# Allegro board sk_s7g2 rev3.0.brd (continued)
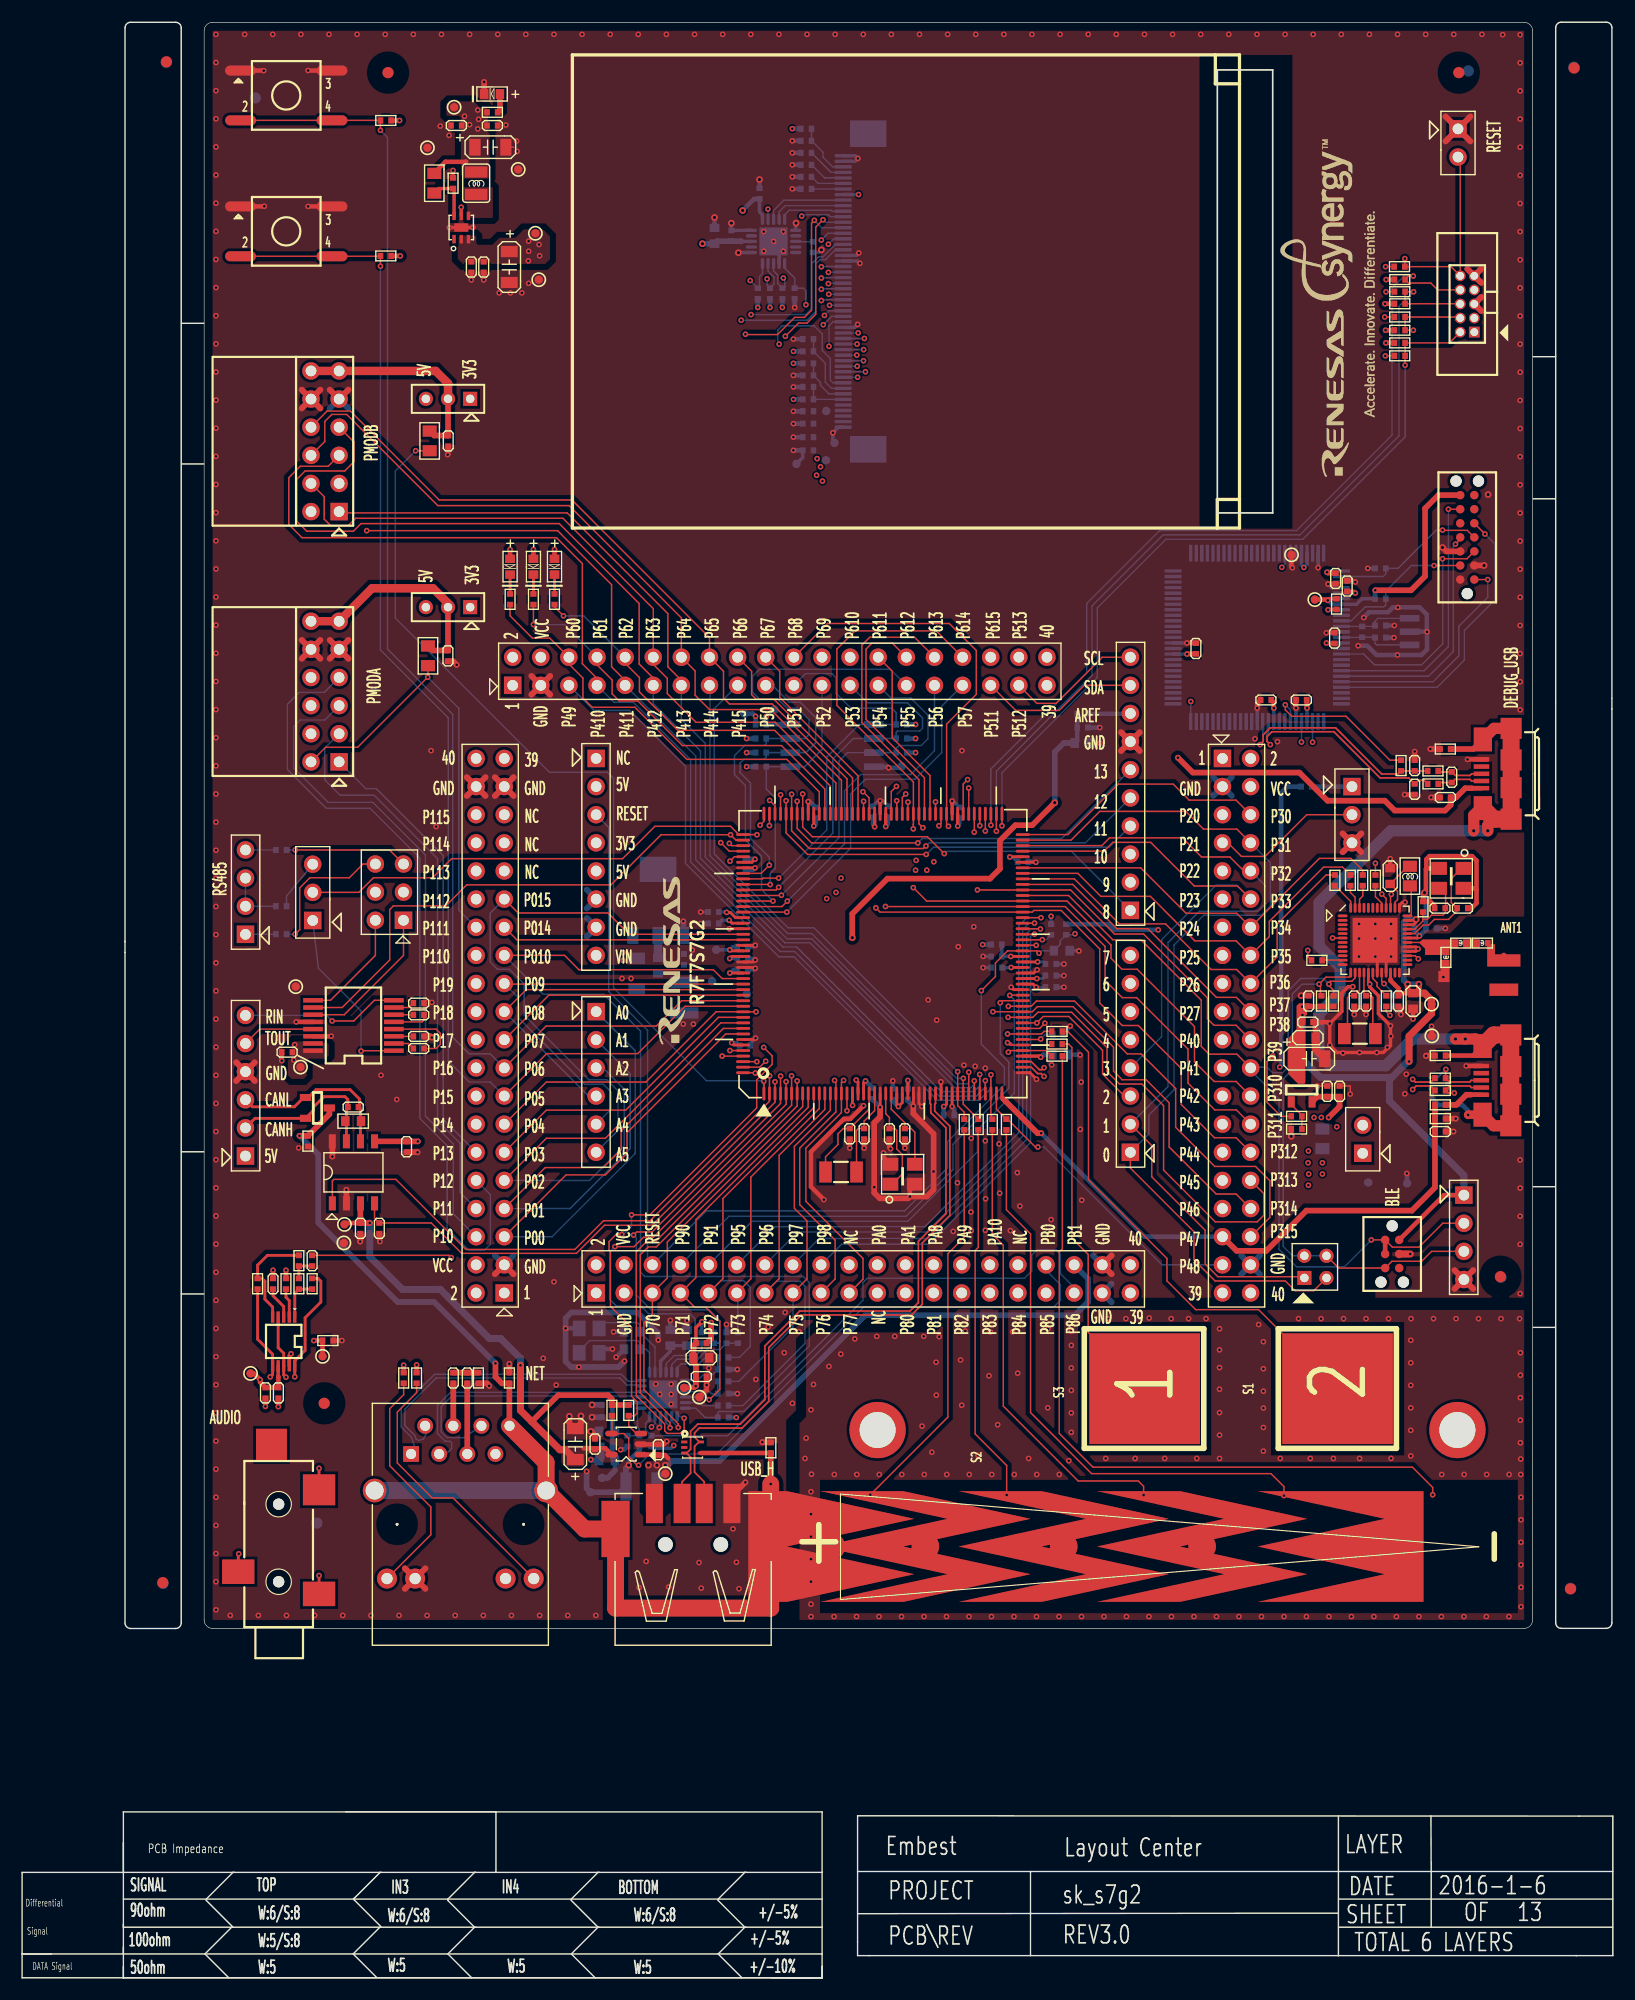
[diagram p0: board, top side]
## Routing (per net, layer and track width the routed paths; a pad name or vN(x,y) marks a point on that pad's centre or on a via; arc(x,y) is an arc through that point) (continued)
GND_RF: length 23.7
  TOP w0.254: v1(126.22,94.06) 126.04,93.88 U2.31
  TOP w0.406: C33.2 127.59,96.78 127.18,97.19 R121.2 126.55,97.85 v2(126.68,97.97) 126.8,98.1 126.8,100.1 126.84,100.13 ; 131.37,98.23 131.37,97.03 130.92,96.58 C32.2 ; 131.37,98.23 131.37,100.87 130.97,101.28 127.12,101.28 126.84,100.99 126.84,100.13 ; 131.37,98.23 131.23,98.37 X4.4 ; 126.84,100.13 126.87,100.17 X4.2
  BOTTOM w0.406: C28.2 125.76,94.52 v1(126.22,94.06) 126.8,94.65 R111.2 126.8,97.85 v2(126.68,97.97)
VDD_ENET: length 10.3
  BOTTOM w0.305: U9.2 55.07,51.94
  BOTTOM w0.406: 55.07,51.94 54.87,51.74 C52.1 C53.1 53.32,49.56 C51.1 53.32,49.11 R46.2 53.32,46.95 FB2.2 53.55,45.8
  BOTTOM w0.508: 53.55,45.8 52.89,45.14 TP15.1
VDD_IO: length 13.2
  TOP w0.305: v1(61.4,59.24) 60.86,58.71 R47.2
  TOP w0.406: TP16.1 60.69,53.27 v1(60.84,53.42)
  TOP w0.508: v1(60.84,53.42) 60.86,53.45 C56.1 60.86,55.3 60.64,55.53 C57.1 60.64,57.08 R47.2
  BOTTOM w0.305: R55.1 R56.1 61.38,59.17 61.4,59.19 v1(61.4,59.24) ; v1(58.86,48.06) 58.6,47.81 57.02,47.81 R54.1 ; v1(60.84,53.42) 60.83,53.44 U9.14
  BOTTOM w0.406: 63.81,50.59 v1(64.51,50.59)
AREF: length 3.8
  BOTTOM w0.406: J24.8 100.08,114.13 R115.2
CANH: length 14.7
  TOP w0.254: J7.2 21.04,77.6 D1.2 26.32,78.33 26.32,78.62 27.26,79.56 29.16,79.56 29.42,79.31 C100.1 29.29,78.49 29.29,77.25 ; 29.29,77.25 U8.7 ; 29.29,77.25 R119.2
CANL: length 15.5
  TOP w0.254: 30.56,77.3 30.56,78.44 C100.2 30.46,78.7 30.46,79.36 29.62,80.19 26.55,80.19 25.84,79.48 D1.1 25.43,79.48 24.59,78.65 20.81,78.65 J7.3 ; 30.56,77.3 U8.6 ; 30.56,77.3 R119.1
CRS_RV: length 4.1
  BOTTOM w0.127: R102.1 R57.1 62.28,52.75 62.09,52.94 U9.15
DCLIN: length 5
  TOP w0.127: L1.2 125.18,100.36 C25.1 124.24,98.1 124.24,97.34 124.01,97.11 U2.38
DCLOUT: length 3
  TOP w0.127: L1.1 125.48,98.46 125.48,96.01 125.35,95.88 U2.36
FGND: length 299.2
  TOP w0.406: U5.4 67.63,47.39 R41.2 ; J5.7 131.05,83.27 R38.2
  TOP w0.508: J19.7 131.08,110.95 R86.2 ; R41.2 67.62,47.36 v1(67.62,44.58) ; J11.8 44.01,49.85 R48.1 43.34,53.68 42.75,54.26 v1(42.75,55.48) ; D1.3 27.76,77.97 R42.1 v1(25.05,76.03)
  TOP w0.762: v1(130.61,77.91) 130.64,77.93 J5.6
  TOP w1.016: 132.94,104.61 132.39,104.06 v2(132.39,103.56) ; J19.6 131.77,105.61 131.12,104.96 v2(131.12,103.56) ; J5.6 132.92,76.93 J5.8 ; J19.7 132.94,112.81 J19.11 ; J5.7 131.29,84.77 v2(130.36,84.77) v2(129.47,84.77)
  TOP w1.524: J5.7 132.92,85.13 J5.11 J5.10 J5.9 J5.8 ; J19.11 J19.10 J19.9 J19.8 132.94,104.61 J19.6 ; J11.8 47.33,46.53 J11.14 50.8,40.53 J6.5 53.6,33.38 67.62,33.38 J6.6 v1(67.62,44.58)
  INT3 w0.635: v1(67.62,44.58) 68.66,45.63 68.66,52.99 75.44,59.77 95.69,59.77 96.35,60.43 98.2,60.43 98.84,61.07 98.84,62.64 99.32,63.13 112.38,63.13 114.36,61.14 126.42,61.14 127.44,62.16 127.44,72.96 130.61,76.13 v1(130.61,77.91)
  BOTTOM w0.406: v1(130.61,77.91) 130.61,78.29 130.09,78.81 127.96,78.81 127.32,79.45 U4.4
  BOTTOM w0.508: v1(25.05,76.03) 26.75,74.33 26.75,68.18 33.91,61.02 37.22,61.02 v1(42.75,55.48)
  BOTTOM w1.016: v2(130.36,84.77) v2(129.47,84.77) 125.58,84.77 123.17,82.35 118.17,82.35 117.15,83.37 117.15,87.05 119.06,88.96 119.06,91.24 117.15,93.15 117.15,97.09 123.63,103.56 v2(131.12,103.56) v2(132.39,103.56)
  BOTTOM w1.524: J11.13 J11.14
JEMLE: length 14.3
  TOP w0.127: J17.4 130.54,130.69 128.33,130.69 v1(128.3,130.72)
  BOTTOM w0.127: U11.2 122.94,126.52 123.17,126.75 R81.1 124.29,127.26 127.74,130.72 v1(128.3,130.72)
JRES: length 13.5
  TOP w0.127: v1(127.54,127.51) 127.62,127.51 127.62,127.52 J17.13
  BOTTOM w0.127: U11.10 120.06,122.52 121.32,123.78 122.99,123.78 123.17,123.96 R80.2 123.17,125.2 125.48,127.51 v1(127.54,127.51)
JTCK: length 20.8
  TOP w0.127: v1(132.39,126.24) 132.39,126.25 J17.1
  BOTTOM w0.127: v1(132.39,126.24) 132.39,124.64 129.77,122.03 129.77,119.36 127.43,117.02 U11.21
JTDI: length 21.6
  TOP w0.127: v1(129.47,129.45) 129.9,129.88 J17.11
  BOTTOM w0.127: v1(129.47,129.45) 129.27,129.24 129.27,119.74 127.05,117.52 U11.20
JTDO: length 26.4
  TOP w0.127: J17.5 131.17,131.32 v1(132.14,130.36)
  BOTTOM w0.127: U11.22 127.82,116.52 130.28,118.98 130.28,121.65 133.03,124.39 133.03,129.47 v1(132.14,130.36)
JTMS: length 24
  TOP w0.127: v1(128.83,132.59) 128.89,132.59 128.89,132.6 J17.9
  BOTTOM w0.127: U11.19 126.66,118.02 128.83,120.2 v1(128.83,132.59)
JTRST: length 21.2
  TOP w0.127: J17.3 130.51,128.12 v1(128.3,128.12)
  BOTTOM w0.127: U11.16 121.18,119.52 122.15,118.55 126.42,118.55 128.33,120.45 128.33,128.1 v1(128.3,128.12)
LCD_IM0: length 3.8
  BOTTOM w0.127: R29.1 R20.2 71.49,142.51 J3.45
LCD_IM1: length 4.6
  BOTTOM w0.127: R19.2 R28.1 72.12,144.04 72.12,143.77 72.88,143.01 J3.44
LCD_IM2: length 6.2
  BOTTOM w0.127: R27.1 R23.2 72.55,145.78 72.55,144.08 73.11,143.51 J3.43
LCD_IM3: length 5.2
  BOTTOM w0.127: R22.2 R26.1 72.34,164.82 72.34,164.37 73.21,163.51 J3.3
LED1/SPEED: length 20.2
  INT3 w0.127: J11.11 56.85,49.23 v1(56.85,49.74)
  BOTTOM w0.127: U9.23 57.17,50.06 v1(56.85,49.74)
P0_0: length 59.5
  TOP w0.127: U1.169 63.55,85.22 54.64,76.31 54.64,74.45 52.69,72.5 49.13,72.5 J20.5
  BOTTOM w0.127: J20.5 47.87,66.92 55.38,74.43 55.38,83.71 J26.1
P0_1: length 54
  TOP w0.127: U1.168 63.34,85.72 54.11,76.49 54.11,74.78 52.48,73.16 47.25,73.16 J20.7
  BOTTOM w0.127: J20.7 49.49,69.46 54.92,74.89 54.92,81.62 J26.2
P0_2: length 48.1
  TOP w0.127: U1.167 63.11,86.22 52.69,75.8 47.35,75.8 J20.9
  BOTTOM w0.127: J20.9 51.24,72 54.39,75.14 54.39,80.25 52.48,82.16 J26.3
P0_3: length 26.6
  TOP w0.127: U1.166 62.9,86.72 54.51,78.34 47.35,78.34 J20.11
P0_4: length 130.6
  TOP w0.127: J20.13 47.35,80.88 56.34,80.88 62.68,87.22 U1.165 v1(66.29,87.22)
  INT3 w0.127: v1(68.76,153.47) 71.56,156.27 71.56,157.03 71.94,157.41 73.46,157.41 74.22,156.65 74.22,150.43 73.97,150.17 73.97,143.82 75.62,142.17 75.62,135.46 88.58,122.51 88.58,118.6 87.99,118.02 87.2,118.02 86.39,117.2 86.39,115.45 89.26,112.58 89.26,102.6 73.89,87.22 v1(66.29,87.22)
  BOTTOM w0.127: v1(68.76,153.47) 68.89,153.35 68.89,152.69 68.76,152.56 R32.2 68.26,152.97 68.26,153.73 67.87,154.11 U3.8
P0_5: length 119.2
  TOP w0.127: S5.2 S5.4 32.34,155.44 R76.2 v1(32.37,154.54) ; J20.15 47.38,83.45 55.61,83.45 59.88,87.72 U1.164
  BOTTOM w0.127: J20.15 42.28,80.88 40.39,80.88 38.49,82.79 38.49,113.77 32.37,119.89 v1(32.37,154.54)
P0_6: length 128
  TOP w0.127: U1.163 59.57,88.22 57.28,85.93 47.33,85.93 J20.17 ; v1(32.37,166.81) R75.2 32.36,167.71 S4.4 S4.2
  BOTTOM w0.127: v1(32.37,166.81) 33,166.17 33,119.97 38.89,114.08 38.89,84.92 40.39,83.42 42.28,83.42 J20.17
P0_7: length 23.2
  TOP w0.127: J20.19 47.57,88.72 U1.162
P0_8: length 33.9
  TOP w0.127: J20.21 45.53,89.22 U1.161
  BOTTOM w0.127: J20.21 51.17,79.62 J26.4
P0_9: length 39.9
  TOP w0.127: J20.23 43.6,89.72 U1.160
  BOTTOM w0.127: J20.23 44.84,88.49 44.84,86.67 50.83,80.68 52.51,80.68 53.22,79.97 53.22,78.45 J26.5
P0_10: length 95.2
  TOP w0.127: J20.25 49,92.32 50.3,91.01 62.44,91.01 63.23,90.22 U1.159
  BOTTOM w0.127: J20.25 47.06,88.81 52.53,88.81 55.86,85.48 55.86,63.71 56.24,63.33 70.54,63.33 71.1,62.77 71.1,57.06 65.18,51.14 62.97,51.14 62.85,51.01 R53.2 61.69,50.59 60.84,51.44 U9.18
P0_14: length 67.7
  TOP w0.127: C68.1 38.56,65.23 v1(38.77,65.03) ; J20.27 44.68,93.72 U1.152
  INT4 w0.127: v1(38.77,65.03) 39.32,65.59 39.32,92.62 40.29,93.58 42.27,93.58 J20.27
P0_15: length 53.5
  TOP w0.127: U1.151 54.84,94.22 52.91,96.15 44.8,96.15 J20.29
  BOTTOM w0.127: J26.6 53.83,76.52 53.83,80.07 52.81,81.08 51.19,81.08 45.34,86.93 45.34,89.74 44.02,91.07 42.93,91.07 42.27,91.73 42.27,96.12 J20.29
P1_0: length 178.8
  TOP w0.127: U1.132 67.01,104.42 v1(66.66,104.07)
  INT3 w0.127: v1(64.95,149.66) 64.32,149.03 64.32,124.01 60.64,120.33 60.64,112.45 66.22,106.86 66.22,104.5 v1(66.66,104.07)
  INT4 w0.127: J20.6 42.22,68.13 48.88,68.13 58.58,77.83 58.58,98.71 63.94,104.07 v1(66.66,104.07)
  BOTTOM w0.127: J20.6 38.95,68.97 38.95,75.29 36.43,77.81 36.43,101.38 31.68,106.13 27.64,106.13 24.52,109.25 24.52,112.96 25.13,113.57 27.34,113.57 J12.5 ; J3.18 73.46,156.01 72.57,155.12 72.07,155.12 71.68,154.74 71.68,150.43 70.92,149.66 v1(64.95,149.66)
P1_1: length 169.5
  TOP w0.127: U1.131 v1(67.51,104.03)
  INT3 w0.127: v1(67.51,104.03) 66.86,104.68 66.86,106.86 61.02,112.71 61.02,120.2 64.83,124.01 64.83,148.82 65.84,149.83 v1(65.84,150.17)
  INT4 w0.127: v1(67.51,104.03) 66.93,104.6 63.81,104.6 58.07,98.86 58.07,78.16 50.6,70.69 42.25,70.69 J20.8
  BOTTOM w0.127: J3.17 73.45,156.51 72.32,155.38 71.94,155.38 71.3,154.74 71.3,150.68 70.8,150.17 v1(65.84,150.17) ; J20.8 39.57,70.9 39.57,75.36 37.52,77.4 37.52,101.05 31.78,106.79 28.71,106.79 27.34,108.16 27.34,111.03 J12.3
P1_2: length 189.6
  TOP w0.127: v1(65.33,148.39) 65.36,148.37 68.23,148.37 69.78,149.92 70.67,149.92 71.3,150.55 71.3,158.43 v1(71.56,158.68) ; v1(67.52,106.31) 68.01,105.82 U1.130
  INT3 w0.127: v1(67.52,106.31) 67.52,110.9 63.18,115.25 63.18,120.33 65.33,122.49 v1(65.33,148.39)
  INT4 w0.127: J20.10 42.27,73.26 52.41,73.26 57.59,78.44 57.59,99.09 64.8,106.31 v1(67.52,106.31)
  BOTTOM w0.127: J12.7 27.29,116.06 25.02,116.06 23.96,114.99 23.96,109.1 27.46,105.59 31.43,105.59 35.92,101.1 35.92,77.6 38.39,75.14 38.39,67.65 40.32,65.72 41.79,65.72 42.3,66.22 42.3,70.71 J20.10 ; v1(71.56,158.68) 72.23,158.01 J3.14
P1_3: length 95
  TOP w0.127: v1(68.51,106.81) 68.51,106.81 U1.129
  INT4 w0.127: J20.12 42.25,75.77 53.22,75.77 57.08,79.64 57.08,99.27 64.62,106.81 v1(68.51,106.81)
  BOTTOM w0.127: J12.1 31.04,107.37 31.98,107.37 38.03,101.33 38.03,77.52 J20.12
P1_4: length 87.8
  TOP w0.127: v1(81.67,101.43) 70.95,101.43 69.01,103.37 U1.128 v1(69.01,106.28)
  INT4 w0.127: J20.14 42.3,78.37 53.09,78.37 56.55,81.82 56.55,99.5 64.47,107.42 68.74,107.42 69.01,107.16 v1(69.01,106.28)
  BOTTOM w0.127: v1(81.67,101.43) 82.33,102.09 98.2,102.09 J24.4
P1_5: length 86.7
  TOP w0.127: v1(69.51,106.86) U1.127 69.51,103.57 71.11,101.96 81.41,101.96 v1(81.64,102.19)
  INT4 w0.127: J20.16 42.27,80.88 53.17,80.88 56.04,83.75 56.04,99.78 64.09,107.83 69.02,107.83 69.51,107.34 v1(69.51,106.86)
  BOTTOM w0.127: J24.5 96.04,102.47 81.92,102.47 v1(81.64,102.19)
P1_6: length 85.9
  TOP w0.127: v1(80.9,102.47) 71.31,102.47 70.01,103.77 U1.126 v1(70.01,106.23)
  INT4 w0.127: J20.18 42.35,83.5 53.93,83.5 55.5,85.07 55.5,99.97 63.79,108.26 69.22,108.26 70.01,107.48 v1(70.01,106.23)
  BOTTOM w0.127: v1(80.9,102.47) 81.31,102.88 93.91,102.88 J24.6
P1_7: length 83.4
  TOP w0.127: v1(83.29,101.51) 81.77,103.03 71.38,103.03 70.51,103.9 U1.125 v1(70.51,106.89)
  INT4 w0.127: v1(70.51,106.89) 70.51,107.64 69.37,108.77 63.58,108.77 53.45,98.63 53.45,86.95 52.41,85.91 42.22,85.91 J20.20
  BOTTOM w0.127: J24.1 94.78,101.71 83.5,101.71 v1(83.29,101.51)
P1_8: length 128.8
  TOP w0.127: U1.89 v1(88.51,104.01) ; J18.2 128.93,147.62 R106.1 R108.1 v1(124.92,145.6)
  INT3 w0.127: v1(88.51,104.01) 88.51,102.45 74.45,88.4 46.59,88.4 44.18,85.99 42.26,85.99 J20.22
  BOTTOM w0.127: v1(124.92,145.6) 124.92,139.12 115.68,129.88 103.31,129.88 97.11,123.68 97.11,117.41 88.51,108.8 v1(88.51,104.01)
P1_9: length 134.3
  TOP w0.127: J18.6 129.88,151.15 R104.2 R109.1 125.68,152.24 v1(125.68,152.23) ; U1.90 v1(88.01,103.52)
  INT3 w0.127: v1(88.01,103.52) 88.01,102.56 74.28,88.83 45.24,88.83 44.91,88.5 42.28,88.5 J20.24
  BOTTOM w0.127: v1(125.68,152.23) 124.36,150.91 124.36,139.22 115.42,130.28 103.05,130.28 96.64,123.87 96.64,117.6 88.01,108.96 v1(88.01,103.52)
P1_10: length 135.1
  TOP w0.127: U1.91 v1(87.51,104.07) ; J18.8 127.86,152.4 127.24,153.02 125.24,153.02 R103.2 125.24,153.65 v1(125.66,153.65)
  INT3 w0.127: v1(87.51,104.07) 87.51,102.7 74.07,89.26 46.13,89.26 44.46,90.94 42.39,90.94 J20.26
  BOTTOM w0.127: v1(125.66,153.65) 125.62,153.69 124.86,153.69 123.74,152.57 123.74,139.29 115.12,130.66 102.75,130.66 96.16,124.07 96.16,117.8 87.51,109.15 v1(87.51,104.07)
P1_11: length 95
  TOP w0.127: J12.2 27.41,111.11 30.31,111.11 v1(36.63,117.43) 36.66,117.46 R67.2 ; U1.92 v1(87.01,103.54)
  INT3 w0.127: J20.28 42.28,93.58 44.96,93.58 48.82,89.72 73.92,89.72 87.01,102.8 v1(87.01,103.54)
  BOTTOM w0.127: J20.28 40.99,94.86 39.45,96.4 39.45,114.61 v1(36.63,117.43)
P1_12: length 83.8
  TOP w0.127: U1.93 v1(86.51,104.03)
  INT3 w0.127: v1(86.51,104.03) 86.51,102.91 73.74,90.15 60,90.15 59.42,90.74 48.85,90.74 45.65,93.94 45.65,95.03 44.56,96.12 42.28,96.12 J20.30
  INT4 w0.127: v1(86.51,104.03) 86.51,103.35 86.98,102.88 90.73,102.88 96.91,96.7 96.91,87.9 J27.5
P1_13: length 105.6
  TOP w0.127: v1(112.96,83.24) 112.45,82.73 112.45,79.05 113.72,77.78 R123.1 ; U1.94 v1(86.01,103.44)
  INT3 w0.127: J20.32 42.31,98.63 44.51,98.63 46.46,96.68 46.46,93.96 49.18,91.24 64.06,91.24 65.46,92.64 66.86,92.64 67.24,93.02 75.98,93.02 86.01,103.05 v1(86.01,103.44)
  INT4 w0.127: v1(112.96,83.24) 112.83,83.37 99.75,83.37 96.32,86.8 96.32,96.64 90.54,102.42 86.54,102.42 86.01,102.96 v1(86.01,103.44)
P1_14: length 108.3
  TOP w0.127: v1(85.5,107.42) 85.5,106.82 85.51,106.81 U1.95
  INT3 w0.127: v1(72.83,156.52) 73.46,155.89 73.46,150.68 73.08,150.3 73.08,149.16 71.94,148.01 71.94,143.95 74.48,141.41 74.48,133.79 83.5,124.77 83.5,109.15 85.22,107.42 v1(85.5,107.42)
  INT4 w0.127: J20.34 42.35,103.82 57.92,103.82 64.09,109.99 78.52,109.99 80.04,108.46 84.13,108.46 85.17,107.42 v1(85.5,107.42)
  BOTTOM w0.127: J3.16 73.32,157.01 v1(72.83,156.52)
P1_15: length 109.9
  TOP w0.127: U1.96 85.01,107.79 v1(85.4,108.19)
  INT3 w0.127: v1(72.19,156.9) 72.32,157.03 73.21,157.03 73.84,156.39 73.84,150.55 73.46,150.17 73.46,149.03 72.32,147.89 72.32,144.2 74.86,141.66 74.86,134.42 83.88,125.41 83.88,115.63 85.4,114.1 v1(85.4,108.19)
  INT4 w0.127: J20.36 42.32,106.33 59.62,106.33 64.5,111.21 66.07,111.21 66.76,110.52 78.67,110.52 80.02,109.18 84.41,109.18 v1(85.4,108.19)
  BOTTOM w0.127: J3.15 72.8,157.51 v1(72.19,156.9)
P2_0: length 23.7
  TOP w0.127: v1(92.16,93.73) 92.13,93.73 92.12,93.72 U1.69
  INT3 w0.127: J21.5 101.1,97.7 99.37,97.7 95.41,93.73 v1(92.16,93.73)
  BOTTOM w0.127: R2.2 92.51,93.73 v1(92.16,93.73)
P2_1/MD: length 35.6
  TOP w0.127: U1.68 90.38,93.22 v1(91.6,93.22) ; J1.2 116.04,105.02 112.27,101.25 110.14,101.25 108.91,102.48 J21.7
  INT3 w0.127: J21.7 100.49,94.55 97.34,94.55 96.02,93.22 v1(91.6,93.22)
P2_2: length 37.2
  TOP w0.127: U1.54 v1(91.66,86.22) 92.23,86.8 94.54,86.8 97.59,83.75 97.59,81.59 99.57,79.62 J27.3
  INT3 w0.127: J21.9 108.43,99.59 102.88,94.04 98.89,94.04 97.49,92.64 97.49,92.06 v1(91.66,86.22)
P2_3: length 23.1
  TOP w0.127: U1.53 91.92,85.72 v1(92.39,86.19)
  INT3 w0.127: v1(92.39,86.19) 98.2,92.01 98.2,92.46 99.27,93.53 103.23,93.53 107.1,97.4 J21.11
P2_4: length 27.5
  TOP w0.127: v1(89.01,85.22) 89.01,85.22 U1.52 92.08,85.22 92.31,85.45 R60.1
  INT3 w0.127: v1(89.01,85.22) 89.49,85.71 92.84,85.71 98.13,90.99 101.61,90.99 105.47,94.86 J21.13
P2_5: length 22.5
  TOP w0.127: v1(92,84.77) 91.96,84.72 U1.51
  INT3 w0.127: J21.15 106.11,92.32 102.27,88.47 96.27,88.47 92.51,84.72 92.06,84.72 v1(92,84.77)
  BOTTOM w0.127: v1(92,84.77) 92.41,85.17 C63.1
P2_6: length 26.5
  TOP w0.127: 89.03,84.41 v1(89.01,84.44) ; 89.03,84.41 89.29,84.41 89.48,84.22 ; 89.03,84.41 89.22,84.22 89.48,84.22 ; 89.48,84.22 U1.50 92.91,84.22 R64.1
  INT3 w0.127: v1(89.01,84.44) 89.29,84.16 92.59,84.16 93.1,84.66 95.56,84.66 97.03,86.14 100.95,86.14 104.58,89.78 J21.17
P2_7: length 25
  TOP w0.127: R61.1 92.49,83.72 U1.49 89.23,83.72 v1(89.08,83.57)
  INT3 w0.127: v1(89.08,83.57) 89.23,83.72 92.81,83.72 93.27,84.18 96.09,84.18 97.67,85.76 101.86,85.76 103.34,87.24 J21.19
P3_0: length 82.2
  TOP w0.127: J21.6 109.65,106.33 105.42,106.33 103.97,107.78 99.01,107.78 94.46,103.22 U1.88 ; v1(125.67,148.76) R105.2 R107.1 129.81,149.95 J18.4
  INT3 w0.127: J21.6 114.01,105.02 123.2,114.21 123.2,123.58 124.39,124.77 124.39,147.48 v1(125.67,148.76)
P3_1: length 85.5
  TOP w0.127: J27.1 100.11,73.11 105.85,67.37 105.85,64.83 107.75,62.92 114.1,62.92 114.99,62.03 116.66,62.03 J32.3 ; U1.87 94.75,102.72 97.34,105.32 105.11,105.32 106.71,103.71 109.73,103.71 J21.8
  BOTTOM w0.127: J27.1 101.77,76.2 101.77,77.9 104.04,80.17 104.04,93.25 106.74,95.94 111.94,95.94 112.76,96.76 112.76,100.69 J21.8
P3_2: length 78.6
  TOP w0.127: J27.2 102.04,75.15 102.04,72.32 106.86,67.49 106.86,64.45 108.01,63.3 115.71,63.3 J32.1 ; U1.86 97.52,102.22 98.23,102.93 104.81,102.93 106.53,101.2 109.1,101.2 110.36,99.94 J21.10
  BOTTOM w0.127: J21.10 112.27,98.63 112.27,96.96 111.61,96.3 106.33,96.3 103.51,93.48 103.51,80.48 J27.2
P3_3: length 46.4
  TOP w0.127: J21.12 109.78,98.58 105.87,98.58 101.94,102.52 98.52,102.52 97.72,101.72 U1.85
  BOTTOM w0.127: J27.4 102.93,84.98 102.93,93.73 107.85,98.66 109.7,98.66 J21.12
P3_4: length 36.4
  TOP w0.127: R12.2 121.1,100 120.02,101.07 117.18,101.07 J21.14 109.7,96.12 105.14,96.12 101.03,100.22 U1.82
P3_5: length 37.1
  TOP w0.127: R11.2 119.27,100.29 117.56,100.29 112.65,95.38 112.65,94.01 J21.16 109.65,93.63 105.92,93.63 101.91,97.64 97.44,97.64 95.36,99.72 U1.81
P3_6: length 37.9
  TOP w0.127: R10.2 117.79,99.57 113.37,95.16 113.37,92.18 J21.18 109.7,91.04 107.4,91.04 103.28,95.16 99.12,95.16 95.05,99.22 U1.80
P3_7: length 44.5
  TOP w0.127: J21.20 109.68,88.53 107.88,88.53 101.68,94.72 98.89,94.72 94.89,98.72 U1.79 ; R13.2 v1(122.24,100.63)
  INT3 w0.127: J21.20 112.5,88.77 112.5,90.89 v1(122.24,100.63)
P3_8: length 101.6
  TOP w0.127: v1(86.29,98.23) 86.3,98.22 U1.78 94.7,98.22 98.68,94.24 101.3,94.24 107.07,88.47 107.07,86.6 107.65,86.01 109.65,86.01 J21.22 ; U14.3 55.49,49.14 54.79,49.84 R120.2 55.33,50.76 55.56,50.98 55.56,52 55.05,52.51 55.05,58.73 53.14,60.64 53.14,65.59 53.02,65.72 53.02,66.48 53.65,67.11 v1(54.16,67.11) ; v1(66.99,84) 67.75,83.24 67.75,82.48 66.35,81.08 66.35,78.54 56.7,68.89 v1(55.05,68.89)
  INT3 w0.127: v1(66.99,84) 69.4,86.42 74.48,86.42 v1(86.29,98.23)
  BOTTOM w0.127: v1(55.05,68.89) 55.05,67.88 54.29,67.11 v1(54.16,67.11)
P3_9: length 87.1
  TOP w0.127: U1.77 94.52,97.72 98.51,93.73 101.05,93.73 106.51,88.27 106.51,84.11 107.22,83.39 109.73,83.39 J21.24 ; U2.14 120.4,90.28 120.1,89.97 118.17,89.97 118.04,89.85 v1(118.04,89.72) 118.04,89.59 118.46,89.18 R16.2 ; J33.2 128.33,68.13 126.17,65.97 123.77,65.97 J34.1 v1(121.87,66.63)
  TOP w0.406: J34.3 J34.1
  BOTTOM w0.127: v1(118.04,89.72) 117.53,90.23 115.5,90.23 114.36,89.08 114.36,82.23 113.85,81.72 112.96,81.72 112.45,82.23 111.03,82.23 J21.24 110.97,81.93 113.53,79.37 113.53,65.78 115.12,64.19 119.44,64.19 v1(121.87,66.63)
P3_10: length 107.7
  TOP w0.127: J21.26 109.65,80.93 107.68,80.93 105.9,82.71 105.9,85.88 100.72,91.07 99.35,91.07 98.35,92.06 98.35,93.25 94.38,97.22 U1.76 81.71,97.22 v1(80.5,98.43)
  INT3 w0.127: J12.4 27.31,111.11 29.34,111.11 30.59,112.35 54.06,112.35 60.48,105.92 60.48,101.61 67.47,94.62 76.69,94.62 v1(80.5,98.43)
P3_11: length 108.1
  TOP w0.127: J21.28 109.68,78.37 107.73,78.37 105.31,80.78 105.31,83.85 100.67,88.5 99.37,88.5 97.82,90.05 97.82,93.12 94.22,96.72 U1.75 77.99,96.72 v1(77.98,96.73)
  INT3 w0.127: J12.6 27.31,113.65 30.54,113.65 31.32,112.86 54.34,112.86 60.94,106.25 60.94,101.8 67.66,95.08 76.33,95.08 v1(77.98,96.73)
P3_12: length 111
  TOP w0.127: J21.30 109.65,75.85 107.7,75.85 104.7,78.85 104.7,82.1 100.82,85.99 99.37,85.99 97.34,88.02 97.34,92.89 93.86,96.37 91.39,96.37 91.24,96.22 U1.74 77.5,96.22 v1(77.12,96.6)
  INT3 w0.127: J12.8 27.34,116.16 29.5,116.16 32.31,113.34 54.55,113.34 61.42,106.47 61.42,102 67.86,95.56 76.08,95.56 v1(77.12,96.6)
P3_13: length 111
  TOP w0.127: v1(89.06,86.72) U1.55 91.29,86.72 91.75,87.18 94.8,87.18 98,83.98 98,81.82 99.12,80.7 101.15,80.7 103.1,78.75 103.1,72.93 107.78,68.26 111.56,68.26 112.15,68.84 112.15,70.82 J21.32
  INT3 w0.127: v1(89.06,86.72) 88.93,86.72 87.81,87.84 87.81,95.94 94.57,102.7 94.57,119.95 77.58,136.93 77.58,143.6 v1(76.17,145.01)
  BOTTOM w0.127: J3.40 v1(76.17,145.01)
P3_14: length 103.8
  TOP w0.127: J21.34 109.65,70.77 107.85,70.77 103.61,75.01 103.61,79 101.53,81.08 99.37,81.08 98.58,81.87 98.58,84.03 94.93,87.69 91.71,87.69 91.24,87.22 U1.56 87.69,87.22 v1(87.69,87.23)
  INT3 w0.127: v1(87.69,87.23) 87.38,87.54 87.38,97.34 94.11,104.07 94.11,119.62 77.07,136.66 77.07,142.91 v1(75.47,144.51)
  BOTTOM w0.127: J3.41 v1(75.47,144.51)
P3_15: length 110.3
  TOP w0.127: J21.36 112.71,68.66 112.71,71.96 111.41,73.26 107.73,73.26 104.2,76.79 104.2,80.3 101.07,83.42 99.83,83.42 95.05,88.2 91.62,88.2 91.15,87.72 U1.57 89.09,87.72 v1(89.08,87.71)
  INT3 w0.127: v1(89.08,87.71) 89.08,88.09 88.65,88.53 88.65,95.56 95.51,102.42 95.51,121.01 78.67,137.85 78.67,144.46 77.12,146.01 v1(76,146.01)
  BOTTOM w0.127: J3.38 76,146.01 v1(76,146.01)
P4_0: length 140.5
  TOP w0.127: R68.2 v1(35.54,137.88) ; v1(66.99,80.96) 67.01,80.94 67.01,80.64 U1.1
  INT3 w0.127: J21.21 104.63,80.91 98.38,80.91 97.67,80.19 91.5,80.19 86.8,84.89 70.06,84.89 66.64,81.48 66.64,81.3 v1(66.99,80.96) ; v1(35.54,137.88) 33.43,137.88 31.78,136.23 27.95,136.23 27.34,135.62 27.34,133.63 J14.2
  BOTTOM w0.127: v1(35.54,137.88) 33.71,136.05 33.71,122.76 47.63,108.85 52.86,108.85 53.42,108.29 53.42,89.39 61.8,81.01 66.93,81.01 v1(66.99,80.96)
P4_1: length 98.5
  TOP w0.127: U8.1 28.02,71.96 28.15,72.09 33.76,72.09 40.09,65.77 49.92,65.77 52.52,68.36 56.72,68.36 67.51,79.14 U1.2 67.51,81.43 v1(67.52,81.44)
  INT3 w0.127: J21.23 104.61,78.34 92.87,78.34 86.77,84.44 70.14,84.44 67.52,81.82 v1(67.52,81.44)
P4_2: length 93.4
  TOP w0.127: U8.4 31.83,68.59 C99.1 36.96,68.15 39.71,65.41 50.07,65.41 52.61,67.95 56.9,67.95 68.01,79.06 U1.3 68.01,80.9 v1(68,80.91)
  INT3 w0.127: v1(68,80.91) 68,81.79 70.14,83.93 86.65,83.93 94.65,75.93 104.74,75.93 J21.25
P4_3: length 89.4
  TOP w0.127: v1(55.23,67.06) 55.5,67.34 56.9,67.34 68.51,78.95 U1.4 68.51,81.41 v1(68.51,81.41)
  INT3 w0.127: J21.27 104.46,73.11 96.81,73.11 86.47,83.45 70.21,83.45 68.51,81.74 v1(68.51,81.41)
  BOTTOM w0.127: U9.11 58.67,55.37 59.16,55.86 61.03,55.86 R55.2 62.92,57.31 63.05,57.44 63.05,59.32 62.06,60.31 56.83,60.31 55.48,61.65 55.48,66.81 v1(55.23,67.06)
P4_4: length 89.7
  TOP w0.127: v1(53.55,66.02) 55.28,66.02 56.12,66.86 57.01,66.86 69.02,78.87 69.02,79.83 U1.5 v1(69.01,80.92)
  INT3 w0.127: v1(69.01,80.92) 69.01,81.66 70.34,82.99 82.5,82.99 93.02,72.47 106.36,72.47 J21.29
  BOTTOM w0.127: v1(53.55,66.02) 53.07,65.54 53.07,61.27 53.68,60.66 55.89,60.66 56.6,59.95 60.33,59.95 60.79,59.49 60.79,57.82 61.3,57.31 R56.2 61.38,56.74 60.84,56.19 58.91,56.19 58.17,55.45 U9.10
P4_5: length 86.8
  TOP w0.127: v1(69.5,81.44) 69.51,81.43 U1.6 69.51,78.78 57.16,66.43 56.35,66.43 55.48,65.56 55.48,52.56 58.04,49.99 58.04,49.38 58.27,49.16 59.44,49.16 59.8,49.51 v1(59.8,50.53)
  INT3 w0.127: v1(69.5,81.44) 69.5,81.46 70.49,82.46 82.45,82.46 92.91,72 J21.31
  BOTTOM w0.127: U9.19 59.64,50.69 v1(59.8,50.53)
P4_6: length 84
  TOP w0.127: v1(58.53,49.66) 58.53,50.12 55.83,52.81 55.83,65.28 56.55,66 57.28,66 70.01,78.72 U1.7 v1(70.01,80.98)
  INT3 w0.127: v1(70.01,80.98) 71.05,82.02 81.01,82.02 83.17,79.86 84.41,79.86 92.79,71.48 106.4,71.48 J21.33
  BOTTOM w0.127: U9.21 58.17,50.12 58.53,49.77 v1(58.53,49.66)
P4_7: length 55
  TOP w0.254: U1.44 88.51,79.48 88.63,79.36
  TOP w0.508: R34.1 R37.1 C40.1 127.62,71.36 125.53,69.27 116.01,69.27 112.38,65.64 109.7,65.64 J21.35 ; 88.63,79.36 91.73,76.26 v1(92.06,76.26)
  BOTTOM w0.406: v1(92.06,76.26) 101.4,66.92 J21.35
P4_8: length 27.7
  TOP w0.127: U1.43 88.01,78.43 R62.1 89.01,77.53 91.52,75.01 v1(91.75,75.01)
  BOTTOM w0.127: v1(91.75,75.01) 92.33,75.01 102.97,64.38 J21.37
P4_9: length 64.5
  TOP w0.127: v1(87.51,81.54) 87.51,81.54 U1.42 87.51,77.66 R63.1
  BOTTOM w0.127: J22.5 51.65,114.43 54.87,114.43 59.92,109.38 59.92,100.62 68.36,92.18 69.73,92.18 82.68,79.23 86.44,79.23 87.51,80.3 v1(87.51,81.54)
P4_10: length 107.1
  TOP w0.127: J14.5 27.65,136.48 25.13,136.48 24.08,135.44 24.08,131.22 25.28,130.03 48.27,130.03 50.6,127.69 50.6,118.65 51.93,117.32 J22.7 ; U1.41 v1(87.01,81.01)
  BOTTOM w0.127: v1(87.01,81.01) 87.01,80.43 86.19,79.61 82.84,79.61 69.78,92.67 68.46,92.67 60.38,100.74 60.38,109.99 55.2,115.17 53.45,115.17 J22.7
P4_11: length 94.7
  TOP w0.127: U1.40 86.51,81.55 v1(86.49,81.57) ; J22.9 54.47,117.15 53.24,118.37 53.24,125.79 48.37,130.66 v1(31.12,130.66)
  INT3 w0.127: J14.3 31.12,132.43 v1(31.12,130.66)
  BOTTOM w0.127: J22.9 60.84,110.33 60.84,100.95 68.71,93.07 69.96,93.07 83.01,80.02 85.96,80.02 86.49,80.55 v1(86.49,81.57)
P4_12: length 108.1
  TOP w0.127: J14.7 29.98,138.66 29.98,136.89 29.14,136.05 25.56,136.05 24.8,135.29 24.8,131.53 25.71,130.61 29.93,130.61 30.61,131.3 48.52,131.3 55.73,124.09 55.73,118.62 57.01,117.35 J22.11 ; U1.39 v1(86.01,80.99)
  BOTTOM w0.127: v1(86.01,80.99) 86.01,80.67 85.71,80.37 84.23,80.37 71.15,93.45 68.89,93.45 61.27,101.07 61.27,110.78 57.01,115.04 J22.11
P4_13: length 92.1
  TOP w0.127: J22.13 59.55,117.15 58.32,118.37 58.32,123.17 49.23,132.26 28.75,132.26 J14.1 ; U1.38 85.51,81.56 85.5,81.57 v1(85.5,81.77)
  BOTTOM w0.127: J22.13 59.55,113.62 61.7,111.46 61.7,101.2 69.09,93.81 71.33,93.81 84.41,80.73 85.38,80.73 85.5,80.85 v1(85.5,81.77)